# Altium PCB graviton.PcbDoc (part 4 of 15) (continued)
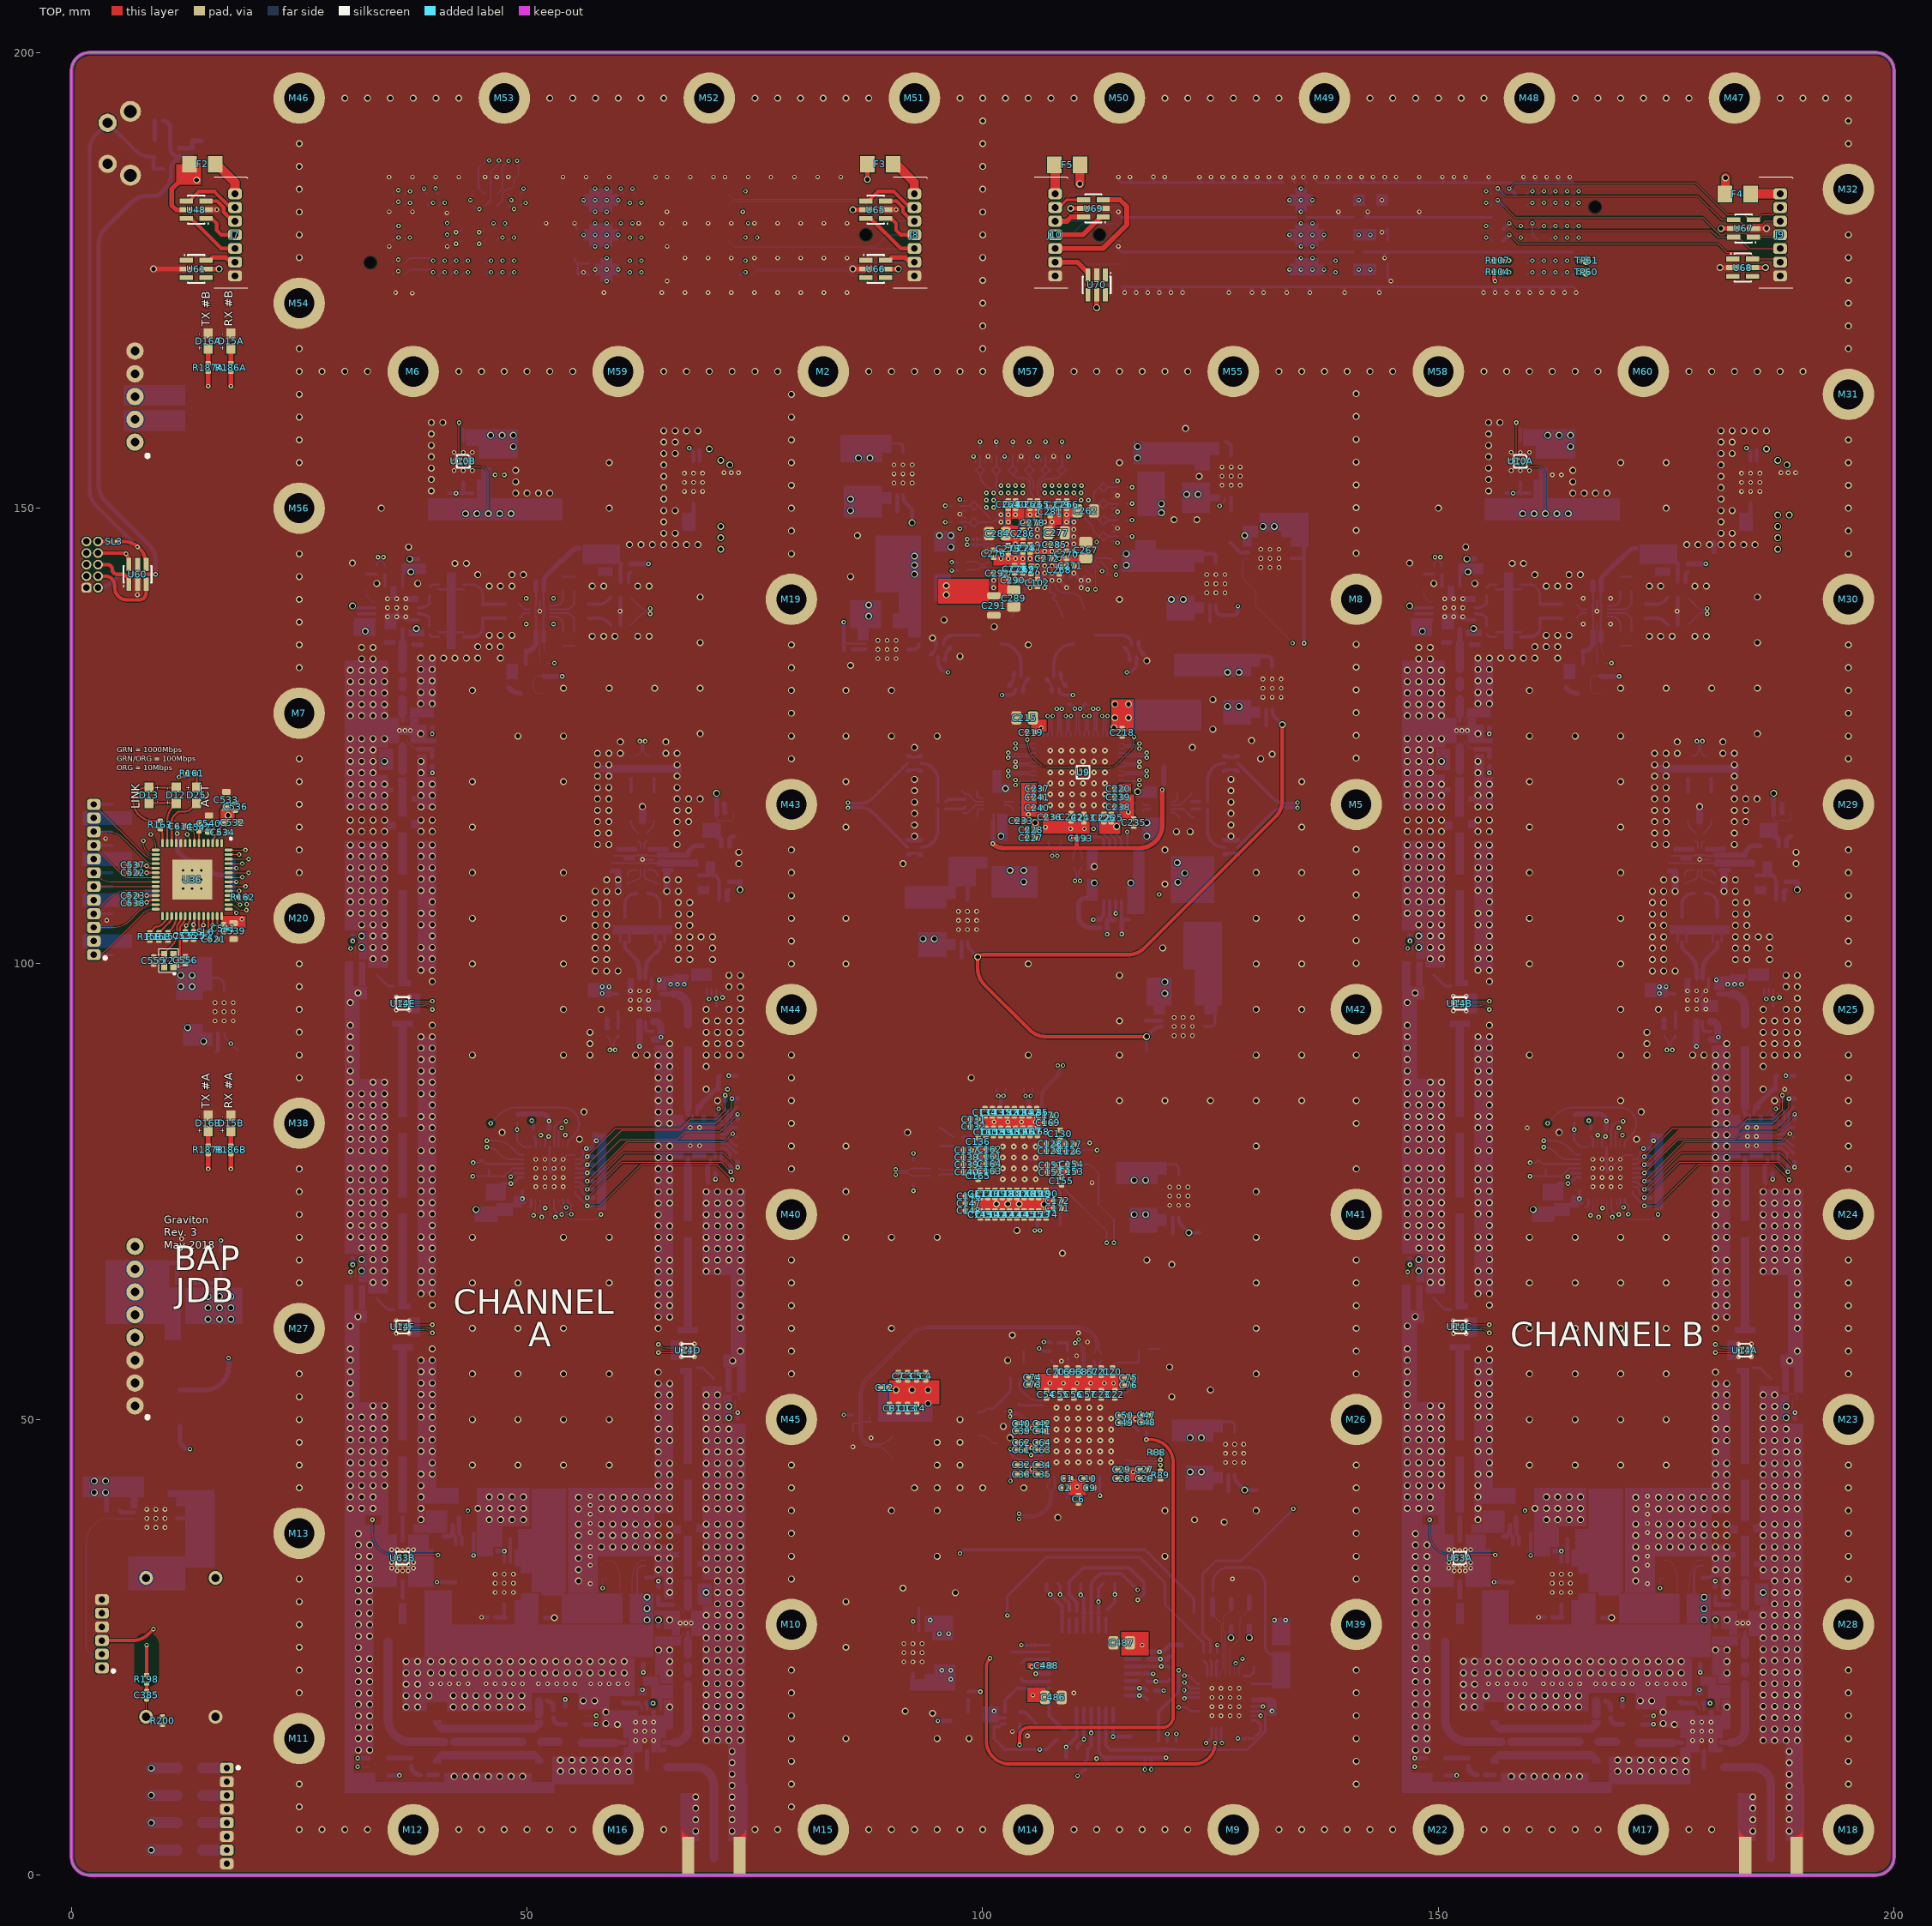
[diagram p0: TOP view]
## Footprints (in the part's own frame and the unit in brackets; to place one, negate y for a bottom-side part, rotate by r counter-clockwise, add the part's x,y. Pads: shape width x height; smd on the part's side, far side on the other; paste and mask are expansions set on the pad) (continued)
RHS [mm] "Quad Flat No-Lead (QFN with Tab), 0.50 mm pitch; square, 12 pin X 12 pin, 7.00 mm L X 7.00 mm W X 0.80 mm H body"
  rrect52% 0.27x0.76 smd mask+0.05: 1(-2.75,-3.385) 2(-2.25,-3.385) 3(-1.75,-3.385) 4(-1.25,-3.385) 5(-0.75,-3.385) 6(-0.25,-3.385) 7(0.25,-3.385) 8(0.75,-3.385) 9(1.25,-3.385) 10(1.75,-3.385) 11(2.25,-3.385) 12(2.75,-3.385) 25(2.75,3.385) 26(2.25,3.385) 27(1.75,3.385) 28(1.25,3.385) 29(0.75,3.385) 30(0.25,3.385) 31(-0.25,3.385) 32(-0.75,3.385) 33(-1.25,3.385) 34(-1.75,3.385) 35(-2.25,3.385) 36(-2.75,3.385)
  rrect52% 0.76x0.27 smd mask+0.05: 13(3.385,-2.75) 14(3.385,-2.25) 15(3.385,-1.75) 16(3.385,-1.25) 17(3.385,-0.75) 18(3.385,-0.25) 19(3.385,0.25) 20(3.385,0.75) 21(3.385,1.25) 22(3.385,1.75) 23(3.385,2.25) 24(3.385,2.75) 37(-3.385,2.75) 38(-3.385,2.25) 39(-3.385,1.75) 40(-3.385,1.25) 41(-3.385,0.75) 42(-3.385,0.25) 43(-3.385,-0.25) 44(-3.385,-0.75) 45(-3.385,-1.25) 46(-3.385,-1.75) 47(-3.385,-2.25) 48(-3.385,-2.75)
  rect 5.1x5.1 smd paste-5.1 mask+0.05: 49(0,0)
  silkscreen extent -3.3,-4.1 -3.1,-3.9, body extent -3.55,-3.55 3.55,3.55, height 0.8
S5B-XH-A [mm] "2.5mm pitch right angle 5-position"
  round 1.905 hole 0.965: 1(-5,0.525) 2(-2.5,0.525) 3(0,0.525) 4(2.5,0.525) 5(5,0.525)
  silkscreen extent -7.45,-2.88 7.45,2.88, body extent -7.45,-8.63 7.45,2.87, height 6.15
S6B-ZR [mm] "1.5mm pitch right angle 6-position"
  rrect50% 1.2x1.5 hole 0.7 paste-1.5 mask+0.05: 1(3.75,-0.45) 2(2.25,-0.45) 3(0.75,-0.45) 4(-0.75,-0.45) 5(-2.25,-0.45) 6(-3.75,-0.45)
  silkscreen extent -5.4,-2 5.4,1.5, body extent -5.25,-1.85 5.25,4.15, height 3.7
S8B-XH-A [mm] "2.5mm pitch right angle 8-position"
  round 1.905 hole 0.965: 1(-8.75,0.525) 2(-6.25,0.525) 3(-3.75,0.525) 4(-1.25,0.525) 5(1.25,0.525) 6(3.75,0.525) 7(6.25,0.525) 8(8.75,0.525)
  silkscreen extent -11.2,-2.88 11.2,2.88, body extent -11.2,-8.63 11.2,2.87, height 6.15
S12B-ZR [mm] "1.5mm pitch right angle 12-position"
  rrect50% 1.2x1.5 hole 0.7 paste-1.5 mask+0.05: 1(8.25,-0.45) 2(6.75,-0.45) 3(5.25,-0.45) 4(3.75,-0.45) 5(2.25,-0.45) 6(0.75,-0.45) 7(-0.75,-0.45) 8(-2.25,-0.45) 9(-3.75,-0.45) 10(-5.25,-0.45) 11(-6.75,-0.45) 12(-8.25,-0.45)
  silkscreen extent -9.9,-2 9.9,1.5, body extent -9.75,-1.85 9.75,4.15, height 3.7
S-PVQFN-N64 [mm] "Plastic Quad Flatpack No-Lead, 64-pin"
  oval 0.9x0.25 smd paste-0.025 mask+0.051: 1(-4.55,3.75) 2(-4.55,3.25) 3(-4.55,2.75) 4(-4.55,2.25) 5(-4.55,1.75) 6(-4.55,1.25) 7(-4.55,0.75) 8(-4.55,0.25) 9(-4.55,-0.25) 10(-4.55,-0.75) 11(-4.55,-1.25) 12(-4.55,-1.75) 13(-4.55,-2.25) 14(-4.55,-2.75) 15(-4.55,-3.25) 16(-4.55,-3.75) 33(4.55,-3.75) 34(4.55,-3.25) 35(4.55,-2.75) 36(4.55,-2.25) 37(4.55,-1.75) 38(4.55,-1.25) 39(4.55,-0.75) 40(4.55,-0.25) 41(4.55,0.25) 42(4.55,0.75) 43(4.55,1.25) 44(4.55,1.75) 45(4.55,2.25) 46(4.55,2.75) 47(4.55,3.25) 48(4.55,3.75)
  oval 0.25x0.9 smd paste-0.025 mask+0.051: 17(-3.75,-4.55) 18(-3.25,-4.55) 19(-2.75,-4.55) 20(-2.25,-4.55) 21(-1.75,-4.55) 22(-1.25,-4.55) 23(-0.75,-4.55) 24(-0.25,-4.55) 25(0.25,-4.55) 26(0.75,-4.55) 27(1.25,-4.55) 28(1.75,-4.55) 29(2.25,-4.55) 30(2.75,-4.55) 31(3.25,-4.55) 32(3.75,-4.55) 49(3.75,4.55) 50(3.25,4.55) 51(2.75,4.55) 52(2.25,4.55) 53(1.75,4.55) 54(1.25,4.55) 55(0.75,4.55) 56(0.25,4.55) 57(-0.25,4.55) 58(-0.75,4.55) 59(-1.25,4.55) 60(-1.75,4.55) 61(-2.25,4.55) 62(-2.75,4.55) 63(-3.25,4.55) 64(-3.75,4.55)
  rect 7.5x7.5 smd paste-0.025 mask+0.051: 65(0,0)
  silkscreen extent -5.68,-4.6 4.6,4.6, body extent -4.57,-4.57 4.57,4.57, height 1
SEAF-40-06.5-S-10-2-A-K-TR [mil] "Terminal Array Assembly, Surface Mount, 0.050\" Pitch, 400 Pins"
  round 28 smd paste-2.5 mask-2.5: 1(975,-225) 2(975,-175) 3(975,-125) 4(975,-75) 5(975,-25) 6(975,25) 7(975,75) 8(975,125) 9(975,175) 10(975,225) 11(925,-225) 12(925,-175) 13(925,-125) 14(925,-75) 15(925,-25) 16(925,25) 17(925,75) 18(925,125) 19(925,175) 20(925,225) 21(875,-225) 22(875,-175) 23(875,-125) 24(875,-75) 25(875,-25) 26(875,25) 27(875,75) 28(875,125) 29(875,175) 30(875,225) 31(825,-225) 32(825,-175) 33(825,-125) 34(825,-75) 35(825,-25) 36(825,25) 37(825,75) 38(825,125) 39(825,175) 40(825,225) 41(775,-225) 42(775,-175) 43(775,-125) 44(775,-75) 45(775,-25) 46(775,25) 47(775,75) 48(775,125) 49(775,175) 50(775,225) 51(725,-225) 52(725,-175) 53(725,-125) 54(725,-75) 55(725,-25) 56(725,25) 57(725,75) 58(725,125) 59(725,175) 60(725,225) 61(675,-225) 62(675,-175) 63(675,-125) 64(675,-75) 65(675,-25) 66(675,25) 67(675,75) 68(675,125) 69(675,175) 70(675,225) 71(625,-225) 72(625,-175) 73(625,-125) 74(625,-75) 75(625,-25) 76(625,25) 77(625,75) 78(625,125) 79(625,175) 80(625,225) 81(575,-225) 82(575,-175) 83(575,-125) 84(575,-75) 85(575,-25) 86(575,25) 87(575,75) 88(575,125) 89(575,175) 90(575,225) 91(525,-225) 92(525,-175) 93(525,-125) 94(525,-75) 95(525,-25) 96(525,25) 97(525,75) 98(525,125) 99(525,175) 100(525,225) 101(475,-225) 102(475,-175) 103(475,-125) 104(475,-75) 105(475,-25) 106(475,25) 107(475,75) 108(475,125) 109(475,175) 110(475,225) 111(425,-225) 112(425,-175) 113(425,-125) 114(425,-75) 115(425,-25) 116(425,25) 117(425,75) 118(425,125) 119(425,175) 120(425,225) 121(375,-225) 122(375,-175) 123(375,-125) 124(375,-75) 125(375,-25) 126(375,25) 127(375,75) 128(375,125) 129(375,175) 130(375,225) 131(325,-225) 132(325,-175) 133(325,-125) 134(325,-75) 135(325,-25) 136(325,25) 137(325,75) 138(325,125) 139(325,175) 140(325,225) 141(275,-225) 142(275,-175) 143(275,-125) 144(275,-75) 145(275,-25) 146(275,25) 147(275,75) 148(275,125) 149(275,175) 150(275,225) 151(225,-225) 152(225,-175) 153(225,-125) 154(225,-75) 155(225,-25) 156(225,25) 157(225,75) 158(225,125) 159(225,175) 160(225,225) 161(175,-225) 162(175,-175) 163(175,-125) 164(175,-75) 165(175,-25) 166(175,25) 167(175,75) 168(175,125) 169(175,175) 170(175,225) 171(125,-225) 172(125,-175) 173(125,-125) 174(125,-75) 175(125,-25) 176(125,25) 177(125,75) 178(125,125) 179(125,175) 180(125,225) 181(75,-225) 182(75,-175) 183(75,-125) 184(75,-75) 185(75,-25) 186(75,25) 187(75,75) 188(75,125) 189(75,175) 190(75,225) 191(25,-225) 192(25,-175) 193(25,-125) 194(25,-75) 195(25,-25) 196(25,25) 197(25,75) 198(25,125) 199(25,175) 200(25,225) 201(-25,-225) 202(-25,-175) 203(-25,-125) 204(-25,-75) 205(-25,-25) 206(-25,25) 207(-25,75) 208(-25,125) 209(-25,175) 210(-25,225) 211(-75,-225) 212(-75,-175) 213(-75,-125) 214(-75,-75) 215(-75,-25) 216(-75,25) 217(-75,75) 218(-75,125) 219(-75,175) 220(-75,225) 221(-125,-225) 222(-125,-175) 223(-125,-125) 224(-125,-75) 225(-125,-25) 226(-125,25) 227(-125,75) 228(-125,125) 229(-125,175) 230(-125,225) 231(-175,-225) 232(-175,-175) 233(-175,-125) 234(-175,-75) 235(-175,-25) 236(-175,25) 237(-175,75) 238(-175,125) 239(-175,175) 240(-175,225) 241(-225,-225) 242(-225,-175) 243(-225,-125) 244(-225,-75) 245(-225,-25) 246(-225,25) 247(-225,75) 248(-225,125) 249(-225,175) 250(-225,225) 251(-275,-225) 252(-275,-175) 253(-275,-125) 254(-275,-75) 255(-275,-25) 256(-275,25) 257(-275,75) 258(-275,125) 259(-275,175) 260(-275,225) 261(-325,-225) 262(-325,-175) 263(-325,-125) 264(-325,-75) 265(-325,-25) 266(-325,25) 267(-325,75) 268(-325,125) 269(-325,175) 270(-325,225) 271(-375,-225) 272(-375,-175) 273(-375,-125) 274(-375,-75) 275(-375,-25) 276(-375,25) 277(-375,75) 278(-375,125) 279(-375,175) 280(-375,225) 281(-425,-225) 282(-425,-175) 283(-425,-125) 284(-425,-75) 285(-425,-25) 286(-425,25) 287(-425,75) 288(-425,125) 289(-425,175) 290(-425,225) 291(-475,-225) 292(-475,-175) 293(-475,-125) 294(-475,-75) 295(-475,-25) 296(-475,25) 297(-475,75) 298(-475,125) 299(-475,175) 300(-475,225) 301(-525,-225) 302(-525,-175) 303(-525,-125) 304(-525,-75) 305(-525,-25) 306(-525,25) 307(-525,75) 308(-525,125) 309(-525,175) 310(-525,225) 311(-575,-225) 312(-575,-175) 313(-575,-125) 314(-575,-75) 315(-575,-25) 316(-575,25) 317(-575,75) 318(-575,125) 319(-575,175) 320(-575,225) 321(-625,-225) 322(-625,-175) 323(-625,-125) 324(-625,-75) 325(-625,-25) 326(-625,25) 327(-625,75) 328(-625,125) 329(-625,175) 330(-625,225) 331(-675,-225) 332(-675,-175) 333(-675,-125) 334(-675,-75) 335(-675,-25) 336(-675,25) 337(-675,75) 338(-675,125) 339(-675,175) 340(-675,225) 341(-725,-225) 342(-725,-175) 343(-725,-125) 344(-725,-75) 345(-725,-25) 346(-725,25) 347(-725,75) 348(-725,125) 349(-725,175) 350(-725,225) 351(-775,-225) 352(-775,-175) 353(-775,-125) 354(-775,-75) 355(-775,-25) 356(-775,25) 357(-775,75) 358(-775,125) 359(-775,175) 360(-775,225) 361(-825,-225) 362(-825,-175) 363(-825,-125) 364(-825,-75) 365(-825,-25) 366(-825,25) 367(-825,75) 368(-825,125) 369(-825,175) 370(-825,225) 371(-875,-225) 372(-875,-175) 373(-875,-125) 374(-875,-75) 375(-875,-25) 376(-875,25) 377(-875,75) 378(-875,125) 379(-875,175) 380(-875,225) 381(-925,-225) 382(-925,-175) 383(-925,-125) 384(-925,-75) 385(-925,-25) 386(-925,25) 387(-925,75) 388(-925,125) 389(-925,175) 390(-925,225) 391(-975,-225) 392(-975,-175) 393(-975,-125) 394(-975,-75) 395(-975,-25) 396(-975,25) 397(-975,75) 398(-975,125) 399(-975,175) 400(-975,225)
  round 25 hole 50 unplated mask+22.5: 401(1070.5,-120) 402(-1070.5,0)
  silkscreen extent -1151,-281 1151,281, body extent -1131,-262 1131,261, height 257
SM2016-4 [mm] "4-Terminal Ceramic Surface-Mount Case; 2.0 x 1.6mm"
  rect 0.8x0.6 smd paste-0.025 mask+0.07: 1(0.7,0.6) 2(-0.7,0.6) 3(-0.7,-0.6) 4(0.7,-0.6)
  silkscreen extent 1.33,1.21 1.46,1.33, body extent -1,-0.8 1,0.8, height 0.9
SMA-J-P-H-ST-EM1 [mm] "Edge Mount SMA Jack, Female Socket"
  rect 1.27x3.6 smd paste-0.675 mask+0.1: 1(0,-0.2)
  rect 1.35x4.2 smd paste-0.675 mask+0.1: 2(-2.825,0) 3(2.825,0)
  rect 1.35x4.2 smd far side paste-0.675 mask+0.1: 4(-2.825,0) 5(2.825,0)
  body extent -3.17,-11.62 3.18,1.71, height 3.55
SOD523 [mm] "Extremely Small Outline Plastic Package"
  rect 0.8x0.5 smd: 1(-1,0) 2(1,0)
  silkscreen extent -0.7,-0.53 -0.33,0.53, body extent -0.8,-0.4 0.8,0.4, height 0.7
SOLDERLINK0603X26N [mm] "Resistor, Chip; 0.60 mm L X 0.30 mm W X 0.26 mm H body"
  rrect50% 0.27x0.4 smd paste-0.4 mask+0.05: 1(-0.335,0)
  rrect50% 0.37x0.4 smd paste-0.4 mask+0.05: 2(0.285,0)
  TOP region: 0.138,0.2 0.012,0 0.138,-0.2 0.298,-0.2 0.298,0.2
  TOP region: 0.013,-0.2 -0.112,0 0.013,0.2 -0.298,0.2 -0.298,-0.2
SOLDERLINK0603X26N_BRIDGED [mm] "Resistor, Chip; Bridged; 0.60 mm L X 0.30 mm W X 0.26 mm H body"
  rrect50% 0.27x0.4 smd paste-0.4 mask+0.05: 1(-0.335,0)
  rrect50% 0.37x0.4 smd paste-0.4 mask+0.05: 2(0.285,0)
  TOP region: 0.138,0.2 0.012,0 0.138,-0.2 0.298,-0.2 0.298,0.2
  TOP region: 0.013,-0.2 -0.112,0 0.013,0.2 -0.298,0.2 -0.298,-0.2
SON50P200X200X80-9N [mm] "Small Outline No Lead; 8-pin; 0.5mm pitch"
  rect 0.71x0.26 smd paste+0 mask+0.05: 1(-1.005,0.75) 2(-1.005,0.25) 3(-1.005,-0.25) 4(-1.005,-0.75) 5(1.005,-0.75) 6(1.005,-0.25) 7(1.005,0.25) 8(1.005,0.75)
  round 0.5 smd paste+0 mask+0: 9(0,0)
  TOP region: -0.45,-0.85 -0.45,0.65 -0.373,0.665 -0.309,0.709 -0.265,0.773 -0.25,0.85 -0.25,0.85 0.45,0.85 0.45,-0.85
  silkscreen extent -1.67,-1.17 1,1.17, body extent -1,-1 1,1, height 0.76
SOT23 [mm] "SOT-23; 3 Leads; Body 3.0 x 2.5 mm, inc. leads (LxW max)"
  rect 0.8x0.9 smd: 1(-0.95,-1) 2(0.95,-1) 3(0,1)
  silkscreen extent -1.27,-0.2 1.28,0.6, body extent -1.46,-1.14 1.46,1.2, height 1
SOT23-5 [mm] "SOT-23/SC-74A; 5 Leads; Body 3 x 3 mm, inc. leads (LxW max)"
  rect 0.55x1.45 smd: 1(-0.95,-1.075) 2(0,-1.075) 3(0.95,-1.075) 4(0.95,1.075) 5(-0.95,1.075)
  body extent -1.45,-1.4 1.45,1.4, height 1.45
SOT23-6 [mm] "SOT-457/SC-74; 6 Leads; Body 3 x 3 mm, inc. leads (LxW max)"
  rect 0.55x1.45 smd: 1(-0.95,-1.075) 2(0,-1.075) 3(0.95,-1.075) 4(0.95,1.075) 5(0,1.075) 6(-0.95,1.075)
  silkscreen extent -1.57,-1.35 1.55,0.9, body extent -1.5,-1.5 1.5,1.5, height 1.3
SOT363 [mm] "SOT-363/SC-88; 6 Leads; Body 2.2 x 2.2 mm, inc. leads (LxW max)"
  rect 0.35x0.9 smd: 1(-0.65,-0.8) 2(0,-0.8) 3(0.65,-0.8) 4(0.65,0.8) 5(0,0.8) 6(-0.65,0.8)
  silkscreen extent -1.17,-1.2 -1.08,-1.1, body extent -1.05,-1.15 1.05,1.15, height 1
TEST_POINT_SMD_10 [mm] "Surface Mount Test Pad"
  round 1 smd paste-1 mask-0.076: 1(0,0)
TSOT-5 [mm] "TSOT-5; pitch 0.95mm"
  rect 1x0.69 smd: 1(-1.3,0.95) 2(-1.3,0) 5(1.3,0.95)
  rect 1x0.69 smd paste+0: 3(-1.3,-0.95) 4(1.3,-0.95)
  body extent -1.6,-1.45 1.6,1.45, height 0.95
TSSOP16 [mm] "TSOP, 16-Leads, Body 5x4.4mm, Pitch 0.65mm, IPC Medium Density"
  oval 1.7x0.35 smd: 1(-2.85,2.275) 2(-2.85,1.625) 3(-2.85,0.975) 4(-2.85,0.325) 5(-2.85,-0.325) 6(-2.85,-0.975) 7(-2.85,-1.625) 8(-2.85,-2.275) 9(2.85,-2.275) 10(2.85,-1.625) 11(2.85,-0.975) 12(2.85,-0.325) 13(2.85,0.325) 14(2.85,0.975) 15(2.85,1.625) 16(2.85,2.275)
  silkscreen extent -2.97,2.88 -2.73,3.13, body extent -3.14,-2.5 3.14,2.5, height 1.09
uMAX8 [mm] "0.65mm pitch 8-pin SOP"
  rect 1.35x0.4 smd mask+0.05: 1(-2.15,0.975)
  oval 1.35x0.4 smd mask+0.05: 2(-2.15,0.325) 3(-2.15,-0.325) 4(-2.15,-0.975) 5(2.15,-0.975) 6(2.15,-0.325) 7(2.15,0.325) 8(2.15,0.975)
  silkscreen extent -3.2,-1.7 1.5,2, body extent -2.5,-1.5 2.5,1.5, height 0.95
VSWR1 [mil] "RF coupler"
  oval 36x118 smd paste-18 mask-18: 1(0,189) 2(0,-189)
  oval 82x36 smd paste-18 mask-18: 3(116.35,219.76) 4(116.35,-219.76) 5(-116.35,-219.76) 6(-116.35,219.76)
  TOP region: 39.37,201.77 75.35,201.77 75.35,-201.77 39.37,-201.77
  TOP region: -39.37,-201.77 -75.35,-201.77 -75.35,201.77 -39.37,201.77
  TOP region: 75.35,237.75 93.35,237.75 93.35,201.75 75.35,201.75
  TOP region: 75.35,-201.75 93.35,-201.75 93.35,-237.75 75.35,-237.75
  TOP region: -75.35,-237.75 -93.35,-237.75 -93.35,-201.75 -75.35,-201.75
  TOP region: -75.35,201.75 -93.35,201.75 -93.35,237.75 -75.35,237.75
  TOP region: 39.37,201.77 75.35,237.76 75.35,201.77
  TOP region: 39.37,-201.77 75.35,-237.76 75.35,-201.77
  TOP region: -39.37,-201.77 -75.35,-237.76 -75.35,-201.77
  TOP region: -39.37,201.77 -75.35,237.76 -75.35,201.77
  TOP lines w36: 0,148 0,-148
XFDFN-2 [mm] "XFDFN Diode Package"
  rect 0.3x0.31 smd mask+0.065: 1(-0.215,0) 2(0.215,0)
  body extent -0.33,-0.15 0.33,0.15, height 0.33
XRCGB [mm] "Crystal package, 2.0x1.6mm"
  rect 0.75x0.7 smd: 1(0.675,0.5) 2(-0.675,0.5) 3(-0.675,-0.5) 4(0.675,-0.5)
  silkscreen extent -1.3,-1.1 1.3,1.1, body extent -1,-0.8 1,0.8, height 0.7
YZR-4 [mm] "0.5mm BGA; 4-pin"
  rect 0.35x0.35 smd paste-0.05 mask-0.05: A1(-0.25,-0.25)
  round 0.35 smd paste-0.05 mask-0.05: A2(-0.25,0.25) B1(0.25,-0.25) B2(0.25,0.25)
  silkscreen extent -0.7,-0.7 0.7,0.7, body extent -0.5,-0.5 0.5,0.5, height 0.6
ZAY-BGA-196 [mm] "ZAY Texas Instruments 196-Ball BGA"
  round 0.4 smd: A1(-5.2,5.2) A2(-4.4,5.2) A3(-3.6,5.2) A4(-2.8,5.2) A5(-2,5.2) A6(-1.2,5.2) A7(-0.4,5.2) A8(0.4,5.2) A9(1.2,5.2) A10(2,5.2) A11(2.8,5.2) A12(3.6,5.2) A13(4.4,5.2) A14(5.2,5.2) B1(-5.2,4.4) B2(-4.4,4.4) B3(-3.6,4.4) B4(-2.8,4.4) B5(-2,4.4) B6(-1.2,4.4) B7(-0.4,4.4) B8(0.4,4.4) B9(1.2,4.4) B10(2,4.4) B11(2.8,4.4) B12(3.6,4.4) B13(4.4,4.4) B14(5.2,4.4) C1(-5.2,3.6) C2(-4.4,3.6) C3(-3.6,3.6) C4(-2.8,3.6) C5(-2,3.6) C6(-1.2,3.6) C7(-0.4,3.6) C8(0.4,3.6) C9(1.2,3.6) C10(2,3.6) C11(2.8,3.6) C12(3.6,3.6) C13(4.4,3.6) C14(5.2,3.6) D1(-5.2,2.8) D2(-4.4,2.8) D3(-3.6,2.8) D4(-2.8,2.8) D5(-2,2.8) D6(-1.2,2.8) D7(-0.4,2.8) D8(0.4,2.8) D9(1.2,2.8) D10(2,2.8) D11(2.8,2.8) D12(3.6,2.8) D13(4.4,2.8) D14(5.2,2.8) E1(-5.2,2) E2(-4.4,2) E3(-3.6,2) E4(-2.8,2) E5(-2,2) E6(-1.2,2) E7(-0.4,2) E8(0.4,2) E9(1.2,2) E10(2,2) E11(2.8,2) E12(3.6,2) E13(4.4,2) E14(5.2,2) F1(-5.2,1.2) F2(-4.4,1.2) F3(-3.6,1.2) F4(-2.8,1.2) F5(-2,1.2) F6(-1.2,1.2) F7(-0.4,1.2) F8(0.4,1.2) F9(1.2,1.2) F10(2,1.2) F11(2.8,1.2) F12(3.6,1.2) F13(4.4,1.2) F14(5.2,1.2) G1(-5.2,0.4) G2(-4.4,0.4) G3(-3.6,0.4) G4(-2.8,0.4) G5(-2,0.4) G6(-1.2,0.4) G7(-0.4,0.4) G8(0.4,0.4) G9(1.2,0.4) G10(2,0.4) G11(2.8,0.4) G12(3.6,0.4) G13(4.4,0.4) G14(5.2,0.4) H1(-5.2,-0.4) H2(-4.4,-0.4) H3(-3.6,-0.4) H4(-2.8,-0.4) H5(-2,-0.4) H6(-1.2,-0.4) H7(-0.4,-0.4) H8(0.4,-0.4) H9(1.2,-0.4) H10(2,-0.4) H11(2.8,-0.4) H12(3.6,-0.4) H13(4.4,-0.4) H14(5.2,-0.4) J1(-5.2,-1.2) J2(-4.4,-1.2) J3(-3.6,-1.2) J4(-2.8,-1.2) J5(-2,-1.2) J6(-1.2,-1.2) J7(-0.4,-1.2) J8(0.4,-1.2) J9(1.2,-1.2) J10(2,-1.2) J11(2.8,-1.2) J12(3.6,-1.2) J13(4.4,-1.2) J14(5.2,-1.2) K1(-5.2,-2) K2(-4.4,-2) K3(-3.6,-2) K4(-2.8,-2) K5(-2,-2) K6(-1.2,-2) K7(-0.4,-2) K8(0.4,-2) K9(1.2,-2) K10(2,-2) K11(2.8,-2) K12(3.6,-2) K13(4.4,-2) K14(5.2,-2) L1(-5.2,-2.8) L2(-4.4,-2.8) L3(-3.6,-2.8) L4(-2.8,-2.8) L5(-2,-2.8) L6(-1.2,-2.8) L7(-0.4,-2.8) L8(0.4,-2.8) L9(1.2,-2.8) L10(2,-2.8) L11(2.8,-2.8) L12(3.6,-2.8) L13(4.4,-2.8) L14(5.2,-2.8) M1(-5.2,-3.6) M2(-4.4,-3.6) M3(-3.6,-3.6) M4(-2.8,-3.6) M5(-2,-3.6) M6(-1.2,-3.6) M7(-0.4,-3.6) M8(0.4,-3.6) M9(1.2,-3.6) M10(2,-3.6) M11(2.8,-3.6) M12(3.6,-3.6) M13(4.4,-3.6) M14(5.2,-3.6) N1(-5.2,-4.4) N2(-4.4,-4.4) N3(-3.6,-4.4) N4(-2.8,-4.4) N5(-2,-4.4) N6(-1.2,-4.4) N7(-0.4,-4.4) N8(0.4,-4.4) N9(1.2,-4.4) N10(2,-4.4) N11(2.8,-4.4) N12(3.6,-4.4) N13(4.4,-4.4) N14(5.2,-4.4) P1(-5.2,-5.2) P2(-4.4,-5.2) P3(-3.6,-5.2) P4(-2.8,-5.2) P5(-2,-5.2) P6(-1.2,-5.2) P7(-0.4,-5.2) P8(0.4,-5.2) P9(1.2,-5.2) P10(2,-5.2) P11(2.8,-5.2) P12(3.6,-5.2) P13(4.4,-5.2) P14(5.2,-5.2)
  silkscreen extent -6,-6 6,6, body extent -6,-6 6,6, height 1.4

## Part data
C1 C2 C3 C4 C5 C22 C23 C28 C29 C30A C30B C34 C35 C41 C42 C49 C50 C56 C57 C63 C64 C69 C70 C75 C76 C80 C92A C92B C93A C93B C97 C98A C98B C104A C104B C105A C105B C109A C109B C112A C112B C113A C113B C126 C127 C131 C132 C136 C137 C141 C142 C146 C147 C151 C152 C156 C157 C161 C162 C166 C167 C171 C172 C176 C177 C181 C182 C186 C187 C205 C210A C210B C210C C210D C210E C210F C254A C254B C254C C254D C254E C254F C290 C293A C293B C295A C295B C320A C320B C325A C325B C326A C326B C328A C328B C331A C331B C332A C332B C358A C358B C360A C360B C363A C363B C368A C368B C370A C370B C373A C373B C502A C502B C505A C505B C522 C523 C525 C534 C535 C536 C537 C538 C541 C542 C544 C547 C550 C553 C612 C613 C614: library part "CAP 0402", "Ceramic Capacitor 10nF ±10% 50V X7R 0402", Manufacturer=Murata, Package=0402, Tolerance=±10%, Voltage=50V, Manufacturer P/N=GRM155R71H103KA88, Tr=-55:125
C6 C7 C8 C94 C95 C102 C128 C129 C133 C134 C138 C139 C143 C144 C148 C149 C153 C154 C158 C159 C163 C164 C168 C169 C173 C174 C178 C179 C183 C184 C188 C189 C193 C201A C201B C203A C203B C211A C211B C211C C211D C211E C211F C255A C255B C255C C255D C255E C255F C334 C335 C529 C543 C546 C549 C552 C618 C619: library part "CAP 0402", "Ceramic Capacitor 100nF ±10% 16V X7R 0402", Manufacturer=Murata, Package=0402, Tolerance=±10%, Voltage=16V, Manufacturer P/N=GRM155R71C104KA88J, Tr=-55:125
C9 C10 C11 C12 C13 C14 C16 C20 C21 C26 C27 C32 C33 C39 C40 C46 C47 C48 C53 C54 C55 C60 C61 C62 C67 C68 C73 C74 C83 C86 C87 C90A C90B C91A C91B C96 C101A C101B C103A C103B C110A C110B C111A C111B C118 C119 C204 C323A C323B C324A C324B C329A C329B C330A C330B C354A C354B C354C C354D C385 C386 C387 C545 C548 C551 C554: library part "CAP 0402", "Ceramic Capacitor 1nF ±5% 50V NP0 0402", Manufacturer=TDK, Package=0402, Tolerance=±5%, Voltage=50V, Manufacturer P/N=CGA2B2NP01H102J050BA, Tr=-55:150
  C83: Do Not Place=DNP
C15A C15B C202A C202B: library part CAP, "Ceramic Capacitor 3.3pF ±0.1pF 250V C0G 0603", Manufacturer="Johanson Technology", Package=0603, Tolerance=±0.1pF, Voltage=250V, Manufacturer P/N=251R14S3R3BV4T, Tr=-55:125
C17 C18 C115 C380 C381 C471A C471B C472A C472B C482 C483 C484: library part VJ0402A101JXA, "Ceramic Capacitor 100pF ±10% 50V C0G 0402", Manufacturer=Vishay, Package=0402, Tolerance=±10%, Voltage=50V, Do Not Place=DNP, Manufacturer P/N=VJ0402A101KXA, Tr=-55:150
C19 C45 C51 C52 C212A C212B C213A C213B C244A C244B C245A C245B C283 C412 C414 C416 C418 C454A C454B C456A C456B C463A C463B C464A C464B C476A C476B C478A C478B C488: library part TMK105B7103KV, "Ceramic Capacitor 10nF ±10% 50V X7R 0402", Manufacturer=Murata, Package=0402, Tolerance=±10%, Voltage=50V, Manufacturer P/N=GRM155R71H103KA88, Tr=-55:125
C24 C37 C215 C221 C224 C229 C232 C262 C267 C277 C284 C474A C474B C486: library part LMK212B7106KG, "Ceramic Capacitor 10uF ±10% 16V X7R 0805", Manufacturer=Samsung, Package=0805, Tolerance=±10%, Voltage=16V, Manufacturer P/N=CL21B106KOQNNNE, Tr=-55:105
C25 C218 C219 C220 C225 C226 C227 C228 C233 C234 C235 C263 C264 C265 C266 C268 C269 C270 C271 C272 C273 C274 C275 C278 C279 C280 C281 C285 C286 C287: library part TMK105B7224KV, "Ceramic Capacitor 220nF ±10% 25V X7R 0402", Manufacturer=TDK, Package=0402, Tolerance=±10%, Voltage=25V, Manufacturer P/N=C1005X7R1E224K050BE
C31A C31B C114A C114B: library part CAP, "Ceramic Capacitor 10uF ±20% 16V X5R 0805", Manufacturer=TDK, Package=0805, Tolerance=±20%, Voltage=16V, Manufacturer P/N=C2012X5R1C106M085AC, Tr=-55:85
C36 C79 C473A C473B: library part CAP, "Ceramic Capacitor 10uF ±20% 25V X5R 0603", Manufacturer=Murata, Package=0603, Tolerance=±20%, Voltage=25V, Manufacturer P/N=ZRB18AR61E106ME01L, Tr=-55:85
C38 C43 C58: library part CAP_POL, "Tantalum Capacitor 330uF ±10% 10V 2917", Manufacturer=AVX, Manufacturer P/N=TPSE337K010R0050, Package=2917, Tolerance=±10%, Voltage=10V, Tr=-55:125
C44 C216 C222 C230 C282 C383 C389 C393 C397 C405 C409 C421 C425 C429 C433 C437 C475A C475B C477A C477B C487: library part TMK212B7105KG, "Ceramic Capacitor 1uF ±10% 25V X7R 0805", Manufacturer="Taiyo Yuden", Package=0805, Tolerance=±10%, Voltage=25V, Manufacturer P/N=TMK212B7105KG
C81: library part "CAP 0402", "Ceramic Capacitor 33pF ±5% 50V NP0 0402", Manufacturer=Murata, Package=0402, Tolerance=±5%, Voltage=50V, Manufacturer P/N=GRM1555C1H330JA01D, Tr=-55:125
C82: library part "CAP 0402", "Ceramic Capacitor 1.5nF ±10% 16V RF 0402", Manufacturer="Taiyo Yuden", Package=0402, Tolerance=±10%, Voltage=16V, Manufacturer P/N=EMK105SD152KV-F, Tr=-55:125
C84: library part "CAP 0402", "Ceramic Capacitor 6.8pF ±0.1pF NP0 0603", Manufacturer=AVX, Package=0603, Tolerance=±0.1pF, Voltage=200V, Manufacturer P/N=06032U6R8BAT2A, Tr="-55\"125"
C85: library part "CAP 0402", "Ceramic Capacitor 33uF ±20% 10V X5R 0805", Manufacturer=TDK, Package=0805, Tolerance=±20%, Voltage=10V, Manufacturer P/N=C2012X5R1A336M125AC, Tr=-55:85
C99A C99B C106A C106B C116A C116B C117A C117B C206A C206B C253A C253B C253C C253D C253E C253F C294A C294B C296A C296B C321A C321B C327A C327B C333A C333B C336A C336B C355A C355B C374A C374B C503A C503B C506A C506B: library part "CAP 0603", "Ceramic Capacitor 10uF ±20% 25V X5R 0603", Manufacturer=Murata, Package=0603, Tolerance=±20%, Voltage=25V, Manufacturer P/N=ZRB18AR61E106ME01L, Tr=-55:85
C100A C100B C125 C192A C192B C322A C322B C337A C337B: library part CAP, "Ceramic Capacitor 1uF ±10% 10V X5R 0402", Manufacturer=Murata, Package=0402, Tolerance=±10%, Voltage=10V, Manufacturer P/N=GRM155R61A105KE15, Tr=-55:125
C107A C107B C108A C108B C217 C236 C237 C238 C239 C240 C241 C242 C243 C276: library part TMK105B7104KV, "Ceramic Capacitor 100nF ±10% 25V X7R 0402", Manufacturer=Yageo, Package=0402, Tolerance=±10%, Voltage=25V
  C107A C107B C108A C108B C236 C237 C238 C239 C240 C241 C242 C243 C276: Manufacturer P/N=TMK105B7104KV
  C217: Manufacturer P/N=CC0402KRX7R8BB104
C120: library part "CAP 0402", "Ceramic Capacitor 4.7nF ±5% 50V X7R 0402", Manufacturer=Murata, Package=0402, Tolerance=±5%, Voltage=50V, Manufacturer P/N=GRM155R71H472JA01D, Tr=-55:125
C121: library part "CAP 0402", "Ceramic Capacitor 68pF ±2% 50V NP0 0402", Manufacturer=Murata, Package=0402, Tolerance=±2%, Voltage=50V, Manufacturer P/N=GRM1555C1H680GA01D, Tr=-55:125
C122: library part "CAP 0402", "Ceramic Capacitor 470nF ±10% 50V X7R 0805", Manufacturer=Kemet, Package=0805, Tolerance=±10%, Voltage=50V, Manufacturer P/N=C0805C474K5RACTU, Tr=-55:125
C123: library part "CAP 0402", "Ceramic Capacitor 10uF ±20% 25V X5R 0603", Manufacturer=Murata, Package=0603, Tolerance=±20%, Voltage=25V, Manufacturer P/N=ZRB18AR61E106ME01L, Tr=-55:85
C124: library part CAP, "Ceramic Capacitor 100nF ±10% 16V X7R 0402", Manufacturer=Murata, Package=0402, Tolerance=±10%, Voltage=16V, Manufacturer P/N=GRM155R71C104KA88J, Tr=-55:125
C130 C135 C140 C145 C150 C155 C160 C165 C170 C175 C180 C185 C190 C530 C620: library part "CAP 0402", "Ceramic Capacitor 1uF ±10% 10V X5R 0402", Manufacturer=Murata, Package=0402, Tolerance=±10%, Voltage=10V, Manufacturer P/N=GRM155R61A105KE15, Tr=-55:125
C191A C191B C500A C500B: library part CAP, "Ceramic Capacitor 10nF ±5% 100V X7R 0603", Manufacturer=AVC, Package=0603, Tolerance=±5%, Voltage=100V, Manufacturer P/N=06031C103JAT2A, Tr=-55:125
C198A C198B C207A C207B C494A C494B C496A C496B C498A C498B C499A C499B: library part CAP, "Ceramic Capacitor 4.7uF ±10% 100V X7R 2220", Manufacturer=TDK, Package=2220, Tolerance=±10%, Voltage=100V, Manufacturer P/N=C5750X7R2A475K230KA, Tr=-55:125
C208A C208B C209A C209B C364A C364B C375A C375B: library part "CAP 0603", "Ceramic Capacitor 100pF ±1% 25V NP0 0402", Manufacturer=Kemet, Package=0402, Tolerance=±1%, Voltage=25V, Manufacturer P/N=CBR04C101F3GAC, Tr=-55:125
C214 C458A C458B: library part "CAP 0603", "Ceramic Capacitor 100uF ±20% 10V X5R 1812", Manufacturer=TDK, Package=1812, Tolerance=±20%, Voltage=10V, Manufacturer P/N=C4532X5R1A107M280KC, Tr=-55:85
C223 C231: library part TMK105B7103KV, "Ceramic Capacitor 10nF ±10% 50V X7R 0402", Manufacturer=Murata, Package=0402, Tolerance=±10%, Manufacturer P/N=GRM155R71H103KA88, Tr=-55:125
C256A C256B C256C C256D C256E C256F C257A C257B C257C C257D C257E C257F: library part CAP, "Ceramic Capacitor 15pF ±5% NP0 0603", Manufacturer=Murata, Package=0603, Tolerance=±5%, Voltage=50V, Manufacturer P/N=GQM1885C1H150JB01D, Tr="-55\"125"
C258A C258B C258C C258D C258E C258F: library part CAP, "Ceramic Capacitor 5.6pF ±0.1pF NP0 0603", Manufacturer=AVX, Package=0603, Tolerance=±0.1pF, Voltage=200V, Manufacturer P/N=06032U5R6BAT2A, Tr="-55\"125"
C259A C259B C259C C259D C259E C259F C261A C261B C261C C261D C261E C261F: library part CAP, "Ceramic Capacitor 3.9pF ±0.1pF NP0 0603", Manufacturer=AVX, Package=0603, Tolerance=±0.1pF, Voltage=200V, Manufacturer P/N=06032U3R9BAT2A, Tr="-55\"125"
C260A C260B C260C C260D C260E C260F: library part CAP, "Ceramic Capacitor 6.8pF ±0.1pF NP0 0603", Manufacturer=AVX, Package=0603, Tolerance=±0.1pF, Voltage=200V, Manufacturer P/N=06032U6R8BAT2A, Tr="-55\"125"
C288 C291: library part "CAP 0603", "Ceramic Capacitor 10uF ±20% 16V X7R 0805", Manufacturer="Taiyo Yuden", Package=0805, Tolerance=±20%, Voltage=16V, Manufacturer P/N=EMK212BB7106MG, Tr=-55:125
C289: library part "CAP 0402", "Ceramic Capacitor 1uF ±10% 25V X7R 0805", Manufacturer="Taiyo Yuden", Package=0805, Tolerance=±10%, Voltage=25V, Manufacturer P/N=TMK212B7105KG, Tr=-55:125
C292 C521: library part "CAP 0402", "Ceramic Capacitor 220nF ±10% 25V X7R 0402", Manufacturer=TDK, Package=0402, Tolerance=±10%, Voltage=25V, Manufacturer P/N=C1005X7R1E224K050BE
C348A C348B C348C C348D: library part VJ0603Y103JXA, "Ceramic Capacitor 10nF ±10% 50V X7R 0402", Manufacturer=Murata, Package=0402, Tolerance=±10%, Voltage=50V, Manufacturer P/N=GRM155R71H103KA88, Tr=-55:125
C349A C349B C349C C349D C351A C351B C351C C351D: library part VJ0402A100JXA, "Ceramic Capacitor 10pF ±5% 50V C0G 0402", Manufacturer=Vishay, Package=0402, Tolerance=±5%, Voltage=50V, Manufacturer P/N=VJ0402A100JXA, Tr=-55:150
C350A C350B C350C C350D: library part "CAP 0402", "Ceramic Capacitor 20pF ±1% 50V NP0 0402", Manufacturer=Kemet, Package=0402, Tolerance=±1%, Voltage=50V, Manufacturer P/N=CBR04C200F5GAC, Tr=-55:125
C352A C352B C352C C352D: library part VJ0402A2R2BXA, "Ceramic Capacitor 2.2pF ±0.1pF 50V C0G 0402", Manufacturer=Vishay, Package=0402, Tolerance=±0.1pF, Voltage=50V, Manufacturer P/N=VJ0402A2R2BXA, Tr=-55:150
C353A C353B C353C C353D: library part VJ0402Y102KXA, "Ceramic Capacitor 1nF ±10% 50V X7R 0402", Manufacturer=TDK, Package=0402, Tolerance=±10%, Voltage=50V, Manufacturer P/N=CGA2B2X7R1H102K050BA, Tr=-55:150
C359A C359B C361A C361B C362A C362B C365A C365B C369A C369B C371A C371B C372A C372B C376A C376B: library part CAP, "Ceramic Capacitor 82pF ±5% 25V NP0 0402", Manufacturer=Vishay, Package=0402, Tolerance=±5%, Voltage=25V, Manufacturer P/N=VJ0402D820JXXAJ, Tr=55:125
C366A C366B C504A C504B C507A C507B: library part CAP, "Ceramic Capacitor 2.4nF 50V 0805", Manufacturer="Dielectric Laboratories", Package=0805, Voltage=50V, Manufacturer P/N=C08BL242X-5UN-X0T, Tr=-55:105
C367A C367B: library part "CAP 0402", "Ceramic Capacitor 2pF ±0.25pF 50V NP0 0402", Manufacturer=Murata, Package=0402, Tolerance=±0.25pF, Voltage=50V, Manufacturer P/N=GJM1555C1H2R0CB01D, Tr=-55:125
C377A C377B C555 C556: library part "CAP 0402", "Ceramic Capacitor 6pF ±0.25pF 50V NP0 RF 0402", Manufacturer=Murata, Package=0402, Tolerance=±0.25pF, Voltage=50V, Manufacturer P/N=GJM1555C1H6R0CB01D, Tr=-55:125
C382 C384 C388 C390 C391 C392 C394 C395 C396 C398 C399 C404 C406 C407 C408 C410 C411 C413 C415 C417 C419 C420 C422 C423 C424 C426 C427 C428 C430 C431 C432 C434 C435 C436 C438 C439 C455A C455B C457A C457B C465A C465B C466A C466B C490: library part "CAP 0603", "Ceramic Capacitor 22uF ±10% 16V X5R 0805", Manufacturer=Samsung, Package=0805, Tolerance=±10%, Voltage=16V, Manufacturer P/N=CL21A226KOQNNNE, Tr=-55:85
C467 C468: library part CAP, "Ceramic Capacitor 100nF ±10% 50V X7R 0402", Manufacturer=Murata, Package=0402, Tolerance=±10%, Voltage=50V, Manufacturer P/N=GCM155R71H104KE02, Tr=-55:125
C469: library part CAP, "Ceramic Capacitor 10nF ±10% 50V X7R 0402", Manufacturer=Murata, Package=0402, Tolerance=±10%, Voltage=50V, Manufacturer P/N=GRM155R71H103KA88, Tr=-55:125
C480A C480B C481A C481B: library part VJ0402A1R0BXX, "Ceramic Capacitor 0.5pF ±0.05pF 200V C0G 0402", Manufacturer="American Technical Ceramics", Manufacturer P/N=600L0R5AT200T, Package=0402, Tolerance=±0.05pF, Voltage=200V, Tr=-55:125
C497A C497B: library part CAP, "Ceramic Capacitor 1uF ±10% 100V X7R 1206", Manufacturer=TDK, Package=1206, Tolerance=±10%, Voltage=100V, Manufacturer P/N=C3216X7R2A105K160AA, Tr=-55:125
C532 C533 C539 C540: library part "CAP 0805", "Ceramic Capacitor 2.2uF ±10% 10V X7R 0603", Manufacturer=Murata, Package=0603, Tolerance=±10%, Voltage=10V, Manufacturer P/N=GRM188R71A225KE15D, Tr=-55:125
D1 D2 D3 D16A D16B: library part LED0603Y, "LED, SMT 0603, Color Red, 10mA, 2.05V", Manufacturer=Panasonic, Package="0603 Polarized", Manufacturer P/N=LNJ237W82RA
D7A D7B D26A D26B: library part ZENER, "3.3V Zener Diode SOD-523", Manufacturer="Diodes Inc", Manufacturer P/N=BZT585B3V3T-7, Vz=3.3
D12: library part LED0603Y, "LED, SMT 0603, Color Amber, 10mA, 2.05V", Manufacturer=Panasonic, Package="0603 Polarized", Manufacturer P/N=LNJ412K84RA
D13: library part LED0603GR, "LED, SMT 0603, Color Green, 10mA, 2.05V", Manufacturer=Panasonic, Package="0603 Polarized", Manufacturer P/N=LNJ326W83RA
D15A D15B: library part LED0603GR, "LED, SMT 0603, Color Blue, 5mA, 2.9V", Manufacturer=Panasonic, Manufacturer P/N=LNJ937W8CRA, Package="0603 Polarized"
D17 D18 D19 D20 D21 D22 D23 D24: "ESD Protection Diode", Manufacturer="On Semiconductor", Manufacturer P/N=ESD8472MUT5G
D25: library part LED0603GR, "LED, SMT 0603, Color White, 10mA, 2.05V", Manufacturer=Panasonic, Package="0603 Polarized", Manufacturer P/N=LNJ037X8ARA
F1 F2 F3 F4 F5 F6 F7 F8 F9: "PTC Resettable Fuse, 0.2A, 30V, SMD 1206", Manufacturer="Bell Fuse", Package=1206, Manufacturer P/N=0ZCJ0020FF2E
FL1A FL1B FL2A FL2B FL3A FL3B FL4A FL4B: "MEM2012 Series 120 MHz 10V 100mA SMT Signal Line 3-Terminal Filter", Manufacturer=TDK, Package=MEM2012V, Manufacturer P/N=MEM2012V121RT001
J1: "1.5mm pitch right angle 6-position", Manufacturer=JST, Manufacturer P/N=S6B-ZR
J2 J3: library part 132136, "Edge Mount SMA Jack, Female Socket", Manufacturer=Samtec, Manufacturer P/N=SMA-J-P-H-ST-EM1
J4 J6: "Terminal Array Assembly, Surface Mount, 0.050\" Pitch, 400 Pins", Manufacturer=Samtec, Manufacturer P/N=SEAF-40-06.5-S-10-2-A-K-TR
J5: library part GRPB052VWVN, "Male Header, 0.050\" Pitch, 2x5 Position, Right Angle", Manufacturer=Sullins, Manufacturer P/N=GRPB052MWCN
J7 J8 J9 J10: "Through-hole Shrouded Header 7-Position", Manufacturer=JST, Do Not Place=DNP, Manufacturer P/N=B7B-ZR(LF)(SN)